# EAGLE board working (EAGLE 9.6.2), part 17 of 28 (continued)
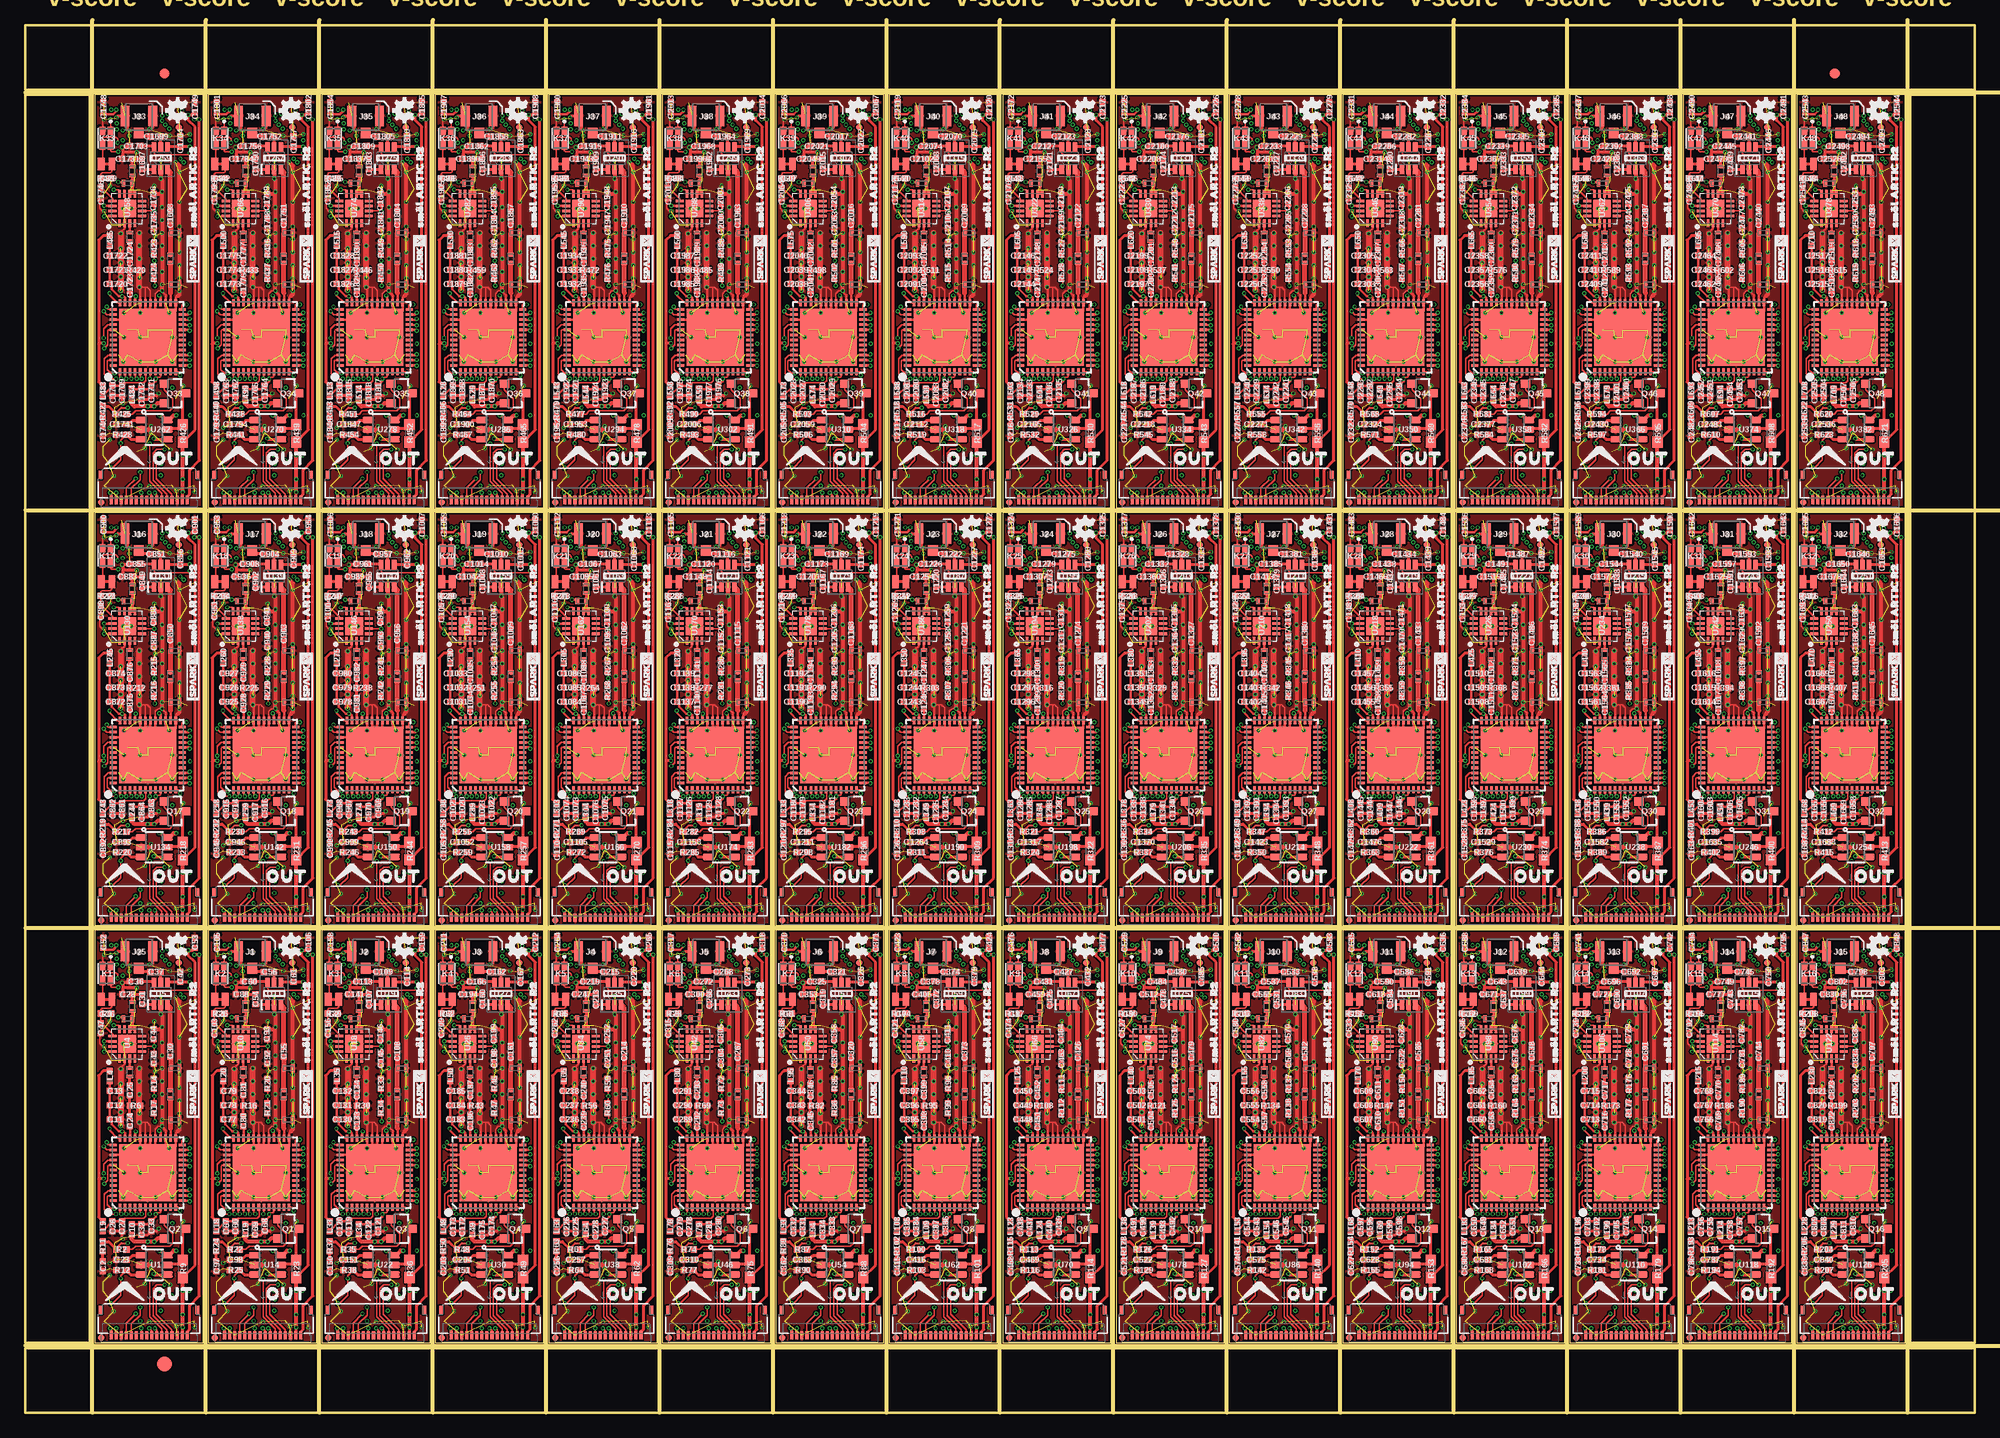
[diagram p0: board, top side]
## Tracks (layer width: path | path; a pad name or v marks a point on that pad's centre or on a via) (continued)
  other vias: 138.11,70.61 138.11,69.34 138.11,73.15 138.11,74.42 134.24,64.77 132.59,62.36 134.24,62.36 135.76,62.36 137.41,62.36 138.11,71.88 132.33,69.34 132.59,77.47 133.35,77.47 135.64,79.69 139.13,84.77 136.27,82.17 138.11,78.11 138.11,81.03 137.8,49.66 139.64,49.53 134.68,53.85 138.11,86.49 137.41,64.77 135.13,50.1 131.64,51.12 137.22,53.72 137.1,67.18 137.16,84.65 135.72,74.76 131.13,52.39
  cutout Route2 (isolate 0.305): 136.65,81.79 137.8,81.79 137.8,69.09 137.54,68.83 137.54,67.69 136.91,67.69 136.91,68.96 136.65,69.22
  pour Top (isolate 0.152, rank 3): 129.79,88.65 140.46,88.65 140.46,48.01 129.79,48.01
  pour Route2 (isolate 0.152, rank 2): 129.79,88.65 140.46,88.65 140.46,48.01 129.79,48.01
  pour Route15 (isolate 0.152, rank 2): 129.79,88.65 140.46,88.65 140.46,48.01 129.79,48.01
  pour Bottom (isolate 0.152, rank 2): 129.79,88.65 140.46,88.65 140.46,48.01 129.79,48.01
  pour Top (isolate 0.102): 132.08,76.33 134.49,76.33 134.49,67.44 132.08,67.44
  pour Top (isolate 0.102): 136.21,81.79 138.3,81.79 138.3,67.44 136.21,67.44
  pour Top (isolate 0.102): 132.72,82.74 136.21,82.74 136.21,78.3 132.72,78.3
  pour Top (isolate 0.102): 132.14,87.76 136.72,87.76 136.72,82.74 132.14,82.74
GND28  (via drill 0.2)  (89 unrouted)
  Top 0.152: U225.30 146.43,69.41 146.11,69.72 145.92,69.72 | v145.35,69.72 145.92,69.72 | U225.31 145.93,69.72 145.92,69.72 | U225.29 146.91,68.19 146.91,69.06 147.19,69.34 v147.57,69.34 | v141.86,77.22 141.67,77.22 141.41,77.47 141.41,78.37 C1534.1 | K29.2 141.71,86.09 v141.86,86.23
  Top 0.203: U226.2 143.9,75.51 143.51,75.12 v143.51,74.99
  Top 0.254: v147.57,69.34 147.57,69.28 147.93,68.93 U225.27 147.93,67.08 147.96,67.06 | 149.1,68.83 148.93,68.66 U225.25 148.93,67.39 148.59,67.06 147.96,67.06 | v145.43,67.2 U225.32 145.43,69.65 v145.35,69.72 | v145.43,67.2 v145.41,67.18 | U225.39 143.58,66.52 143.83,66.76 v143.83,67.18 | 147.96,67.06 146.94,67.06 | 146.94,67.06 146.43,67.06 | 146.43,67.06 145.92,67.06 | 145.92,67.06 145.57,67.06 v145.43,67.2 | U225.31 145.93,67.06 145.92,67.06 | U225.30 146.43,67.06 | U225.29 146.93,67.07 146.94,67.06
  Top 0.305: v143.07,86.42 143.23,86.59 J29.2 144.15,86.36 144.15,85.34 v144.34,85.15 | v146.3,85.28 146.5,85.28 146.66,85.45 J29.1 | C1500.2 146.18,58.68 C1499.2 147.01,59 v147.26,59.25 | v143.7,58.29 143.64,58.36 C1497.2 C1498.2 | C1519.1 143.65,82.49 143.76,82.61 143.76,82.99 | 143.76,82.99 143.76,83.38 v143.64,83.5 144.28,83.5 C1491.2 | v145.1,82.99 143.76,82.99
  Top 0.406: 149.1,68.83 149.28,69.01 L432.P$1 L433.P$1 149.28,75.68 v149.29,75.69 149.29,81.66 v148.91,82.04 | 145.41,71.37 R368.1 | v147.57,69.34 v147.57,69.98 v147.57,71.25 v147.57,72.52 v147.57,73.79 v147.57,75.06 v147.57,76.33 v147.57,77.6 v147.57,79.12 | C1524.2 147.38,78.92 v147.57,79.12 | v146.5,56.01 146.18,55.69 | U230.2 146.18,55.69 | v146.5,55.37 146.18,55.69 | U227.2 v147.45,80.39 147.57,80.26 v147.57,79.12
  Top 0.61: v145.35,69.72 v145.35,70.61 v145.35,72.52 v145.35,73.79 v145.35,75.06 | 143.51,69.46 v143.51,70.74 v143.51,72.14 v143.51,73.53 v143.51,74.99
  Bottom 0.152: U231.4 149.85,59.83 v149.67,60.01 | v143.64,83.5 142.88,83.5 141.87,82.49 R369.2 C1513.1 141.87,80.26 v142.43,79.69 | X29.2 142.41,65.1 141.23,65.1 | C1489.2 141.23,54.61 141.23,62.05 | 141.23,65.1 141.23,68.27 141.41,68.45 C1502.2 141.99,68.45 142.9,67.55 143.24,67.55 143.61,67.18 v143.83,67.18 | 141.23,65.1 141.23,62.05 | R367.2 141.23,62.05
  Bottom 0.254: X29.1 144.21,65.15 v143.83,64.77
  Bottom 0.305: C1533.2 147.76,58.74 v147.26,59.25
  Bottom 0.406: v142.43,55.88 142.43,55.37 U228.2 142.43,55.25 v142.43,54.67
  other vias: 149.29,70.61 149.29,69.34 149.29,73.15 149.29,74.42 145.41,64.77 143.76,62.36 145.41,62.36 146.94,62.36 148.59,62.36 149.29,71.88 143.51,69.34 143.76,77.47 144.53,77.47 146.81,79.69 150.3,84.77 147.45,82.17 149.29,78.11 149.29,81.03 148.97,49.66 150.81,49.53 145.86,53.85 149.29,86.49 148.59,64.77 146.3,50.1 142.81,51.12 148.4,53.72 148.27,67.18 148.34,84.65 146.9,74.76 142.3,52.39
  cutout Route2 (isolate 0.305): 147.83,81.79 148.97,81.79 148.97,69.09 148.72,68.83 148.72,67.69 148.08,67.69 148.08,68.96 147.83,69.22
  pour Top (isolate 0.152, rank 3): 140.97,88.65 151.64,88.65 151.64,48.01 140.97,48.01
  pour Route2 (isolate 0.152, rank 2): 140.97,88.65 151.64,88.65 151.64,48.01 140.97,48.01
  pour Route15 (isolate 0.152, rank 2): 140.97,88.65 151.64,88.65 151.64,48.01 140.97,48.01
  pour Bottom (isolate 0.152, rank 2): 140.97,88.65 151.64,88.65 151.64,48.01 140.97,48.01
  pour Top (isolate 0.102): 143.26,76.33 145.67,76.33 145.67,67.44 143.26,67.44
  pour Top (isolate 0.102): 147.38,81.79 149.48,81.79 149.48,67.44 147.38,67.44
  pour Top (isolate 0.102): 143.89,82.74 147.38,82.74 147.38,78.3 143.89,78.3
  pour Top (isolate 0.102): 143.32,87.76 147.89,87.76 147.89,82.74 143.32,82.74
GND29  (via drill 0.2)  (89 unrouted)
  Top 0.152: U233.30 157.6,69.41 157.29,69.72 157.1,69.72 | v156.53,69.72 157.1,69.72 | U233.31 157.1,69.72 | U233.29 158.09,68.19 158.09,69.06 158.37,69.34 v158.75,69.34 | v153.03,77.22 152.84,77.22 152.59,77.47 152.59,78.37 C1587.1 | K30.2 152.89,86.09 v153.03,86.23
  Top 0.203: U234.2 155.07,75.51 154.69,75.12 v154.69,74.99
  Top 0.254: v158.75,69.34 158.75,69.28 159.1,68.93 U233.27 159.1,67.08 159.13,67.06 | 160.27,68.83 160.1,68.66 U233.25 160.1,67.39 159.77,67.06 159.13,67.06 | 156.6,67.2 U233.32 156.6,69.65 v156.53,69.72 | 156.6,67.2 v156.59,67.18 | U233.39 154.76,66.52 155,66.76 v155,67.18 | 159.13,67.06 158.12,67.06 | 158.12,67.06 157.61,67.06 | 157.61,67.06 157.1,67.06 | 157.1,67.06 156.74,67.06 156.6,67.2 | U233.31 157.1,67.06 | U233.30 157.6,67.06 157.61,67.06 | U233.29 158.1,67.07 158.12,67.06
  Top 0.305: v154.24,86.42 154.41,86.59 J30.2 155.32,86.36 155.32,85.34 v155.51,85.15 | v157.48,85.28 157.67,85.28 157.84,85.45 J30.1 | C1553.2 157.35,58.68 C1552.2 158.19,59 v158.43,59.25 | v154.88,58.29 154.81,58.36 C1550.2 C1551.2 | C1572.1 154.82,82.49 154.94,82.61 154.94,82.99 | 154.94,82.99 154.94,83.38 v154.81,83.5 155.46,83.5 C1544.2 | v156.27,82.99 154.94,82.99
  Top 0.406: 160.27,68.83 160.45,69.01 L447.P$1 L448.P$1 160.45,75.68 v160.47,75.69 160.47,81.66 v160.08,82.04 | 156.59,71.37 R381.1 | v158.75,69.34 v158.75,69.98 v158.75,71.25 v158.75,72.52 v158.75,73.79 v158.75,75.06 v158.75,76.33 v158.75,77.6 v158.75,79.12 | C1577.2 158.55,78.92 v158.75,79.12 | v157.67,56.01 157.35,55.69 | U238.2 157.35,55.69 | v157.67,55.37 157.35,55.69 | U235.2 v158.62,80.39 158.75,80.26 v158.75,79.12
  Top 0.61: v156.53,69.72 v156.53,70.61 v156.53,72.52 v156.53,73.79 v156.53,75.06 | 154.69,69.46 v154.69,70.74 v154.69,72.14 v154.69,73.53 v154.69,74.99
  Bottom 0.152: U239.4 161.02,59.83 v160.85,60.01 | v154.81,83.5 154.05,83.5 153.04,82.49 R382.2 C1566.1 153.04,80.26 v153.61,79.69 | X30.2 153.58,65.1 152.41,65.1 | C1542.2 152.41,54.61 152.41,62.05 | 152.41,65.1 152.41,68.27 152.59,68.45 C1555.2 153.17,68.45 154.08,67.55 154.42,67.55 154.78,67.18 v155,67.18 | 152.41,65.1 152.41,62.05 | R380.2 152.41,62.05
  Bottom 0.254: X30.1 155.39,65.15 v155,64.77
  Bottom 0.305: C1586.2 158.94,58.74 v158.43,59.25
  Bottom 0.406: v153.61,55.88 153.61,55.37 U236.2 153.61,55.25 v153.61,54.67
  other vias: 160.46,70.61 160.46,69.34 160.46,73.15 160.46,74.42 156.59,64.77 154.94,62.36 156.59,62.36 158.12,62.36 159.77,62.36 160.46,71.88 154.69,69.34 154.94,77.47 155.7,77.47 157.99,79.69 161.48,84.77 158.62,82.17 160.46,78.11 160.46,81.03 160.15,49.66 161.99,49.53 157.04,53.85 160.46,86.49 159.77,64.77 157.48,50.1 153.99,51.12 159.58,53.72 159.45,67.18 159.51,84.65 158.08,74.76 153.48,52.39
  cutout Route2 (isolate 0.305): 159,81.79 160.15,81.79 160.15,69.09 159.89,68.83 159.89,67.69 159.26,67.69 159.26,68.96 159,69.22
  pour Top (isolate 0.152, rank 3): 152.15,88.65 162.81,88.65 162.81,48.01 152.15,48.01
  pour Route2 (isolate 0.152, rank 2): 152.15,88.65 162.81,88.65 162.81,48.01 152.15,48.01
  pour Route15 (isolate 0.152, rank 2): 152.15,88.65 162.81,88.65 162.81,48.01 152.15,48.01
  pour Bottom (isolate 0.152, rank 2): 152.15,88.65 162.81,88.65 162.81,48.01 152.15,48.01
  pour Top (isolate 0.102): 154.43,76.33 156.84,76.33 156.84,67.44 154.43,67.44
  pour Top (isolate 0.102): 158.56,81.79 160.66,81.79 160.66,67.44 158.56,67.44
  pour Top (isolate 0.102): 155.07,82.74 158.56,82.74 158.56,78.3 155.07,78.3
  pour Top (isolate 0.102): 154.5,87.76 159.07,87.76 159.07,82.74 154.5,82.74
GND30  (via drill 0.2)  (89 unrouted)
  Top 0.152: U241.30 168.78,69.41 168.47,69.72 168.28,69.72 | v167.7,69.72 168.28,69.72 | U241.31 168.28,69.72 | U241.29 169.26,68.19 169.26,69.06 169.54,69.34 v169.93,69.34 | v164.21,77.22 164.02,77.22 163.77,77.47 163.77,78.37 C1640.1 | K31.2 164.06,86.09 v164.21,86.23
  Top 0.203: U242.2 166.25,75.51 165.86,75.12 v165.86,74.99
  Top 0.254: v169.93,69.34 169.93,69.28 170.28,68.93 U241.27 170.28,67.08 170.31,67.06 | 171.45,68.83 171.28,68.66 U241.25 171.28,67.39 170.94,67.06 170.31,67.06 | v167.78,67.2 U241.32 167.78,69.65 v167.7,69.72 | v167.78,67.2 v167.77,67.18 | U241.39 165.94,66.52 166.18,66.76 v166.18,67.18 | 170.31,67.06 169.29,67.06 | 169.29,67.06 168.78,67.06 | 168.78,67.06 168.28,67.06 | 168.28,67.06 167.92,67.06 v167.78,67.2 | U241.31 168.28,67.06 | U241.30 168.78,67.06 | U241.29 169.28,67.07 169.29,67.06
  Top 0.305: v165.42,86.42 165.58,86.59 J31.2 166.5,86.36 166.5,85.34 v166.69,85.15 | v168.66,85.28 168.85,85.28 169.02,85.45 J31.1 | C1606.2 168.53,58.68 C1605.2 169.36,59 v169.61,59.25 | v166.05,58.29 165.99,58.36 C1603.2 C1604.2 | C1625.1 166,82.49 166.12,82.61 166.12,82.99 | 166.12,82.99 166.12,83.38 v165.99,83.5 166.63,83.5 C1597.2 | v167.45,82.99 166.12,82.99
  Top 0.406: 171.45,68.83 171.63,69.01 L462.P$1 L463.P$1 v171.63,75.68 v171.64,75.69 171.64,81.66 v171.26,82.04 | 167.77,71.37 R394.1 | v169.93,69.34 v169.93,69.98 v169.93,71.25 v169.93,72.52 v169.93,73.79 v169.93,75.06 v169.93,76.33 v169.93,77.6 v169.93,79.12 | C1630.2 169.73,78.92 v169.93,79.12 | v168.85,56.01 168.53,55.69 | U246.2 168.53,55.69 | v168.85,55.37 168.53,55.69 | U243.2 v169.8,80.39 169.93,80.26 v169.93,79.12
  Top 0.61: v167.7,69.72 v167.7,70.61 v167.7,72.52 v167.7,73.79 v167.7,75.06 | 165.86,69.46 v165.86,70.74 v165.86,72.14 v165.86,73.53 v165.86,74.99
  Bottom 0.152: U247.4 172.2,59.83 v172.02,60.01 | v165.99,83.5 165.23,83.5 164.22,82.49 R395.2 C1619.1 164.22,80.26 v164.78,79.69 | X31.2 164.76,65.1 163.58,65.1 | C1595.2 163.58,54.61 163.58,62.05 | 163.58,65.1 163.58,68.27 163.76,68.45 C1608.2 164.35,68.45 165.25,67.55 165.59,67.55 165.96,67.18 v166.18,67.18 | 163.58,65.1 163.58,62.05 | R393.2 163.59,62.05 163.58,62.05
  Bottom 0.254: X31.1 166.56,65.15 v166.18,64.77
  Bottom 0.305: C1639.2 170.12,58.74 v169.61,59.25
  Bottom 0.406: v164.78,55.88 164.78,55.37 U244.2 164.78,55.25 v164.78,54.67
  other vias: 171.64,70.61 171.64,69.34 171.64,73.15 171.64,74.42 167.77,64.77 166.12,62.36 167.77,62.36 169.29,62.36 170.94,62.36 171.64,71.88 165.86,69.34 166.12,77.47 166.88,77.47 169.16,79.69 172.66,84.77 169.8,82.17 171.64,78.11 171.64,81.03 171.32,49.66 173.16,49.53 168.21,53.85 171.64,86.49 170.94,64.77 168.66,50.1 165.16,51.12 170.75,53.72 170.62,67.18 170.69,84.65 169.25,74.76 164.66,52.39
  cutout Route2 (isolate 0.305): 170.18,81.79 171.32,81.79 171.32,69.09 171.07,68.83 171.07,67.69 170.43,67.69 170.43,68.96 170.18,69.22
  pour Top (isolate 0.152, rank 3): 163.32,88.65 173.99,88.65 173.99,48.01 163.32,48.01
  pour Route2 (isolate 0.152, rank 2): 163.32,88.65 173.99,88.65 173.99,48.01 163.32,48.01
  pour Route15 (isolate 0.152, rank 2): 163.32,88.65 173.99,88.65 173.99,48.01 163.32,48.01
  pour Bottom (isolate 0.152, rank 2): 163.32,88.65 173.99,88.65 173.99,48.01 163.32,48.01
  pour Top (isolate 0.102): 165.61,76.33 168.02,76.33 168.02,67.44 165.61,67.44
  pour Top (isolate 0.102): 169.74,81.79 171.83,81.79 171.83,67.44 169.74,67.44
  pour Top (isolate 0.102): 166.24,82.74 169.74,82.74 169.74,78.3 166.24,78.3
  pour Top (isolate 0.102): 165.67,87.76 170.24,87.76 170.24,82.74 165.67,82.74
GND31  (via drill 0.2)  (89 unrouted)
  Top 0.152: U249.30 179.96,69.41 179.64,69.72 179.45,69.72 | v178.88,69.72 179.45,69.72 | U249.31 179.46,69.72 179.45,69.72 | U249.29 180.44,68.19 180.44,69.06 180.72,69.34 v181.1,69.34 | v175.39,77.22 175.2,77.22 174.94,77.47 174.94,78.37 C1693.1 | K32.2 175.24,86.09 v175.39,86.23
  Top 0.203: U250.2 177.42,75.51 177.04,75.12 v177.04,74.99
  Top 0.254: v181.1,69.34 181.1,69.28 181.46,68.93 U249.27 181.46,67.08 181.48,67.06 | 182.63,68.83 182.46,68.66 U249.25 182.46,67.39 182.12,67.06 181.48,67.06 | v178.96,67.2 U249.32 178.96,69.65 v178.88,69.72 | v178.96,67.2 v178.94,67.18 | U249.39 177.11,66.52 177.36,66.76 v177.36,67.18 | 181.48,67.06 180.47,67.06 | 180.47,67.06 179.96,67.06 | 179.96,67.06 179.45,67.06 | 179.45,67.06 179.09,67.06 v178.96,67.2 | U249.31 179.46,67.06 179.45,67.06 | U249.30 179.96,67.06 | U249.29 180.46,67.07 180.47,67.06
  Top 0.305: v176.59,86.42 176.76,86.59 J32.2 177.67,86.36 177.67,85.34 v177.86,85.15 | v179.83,85.28 180.02,85.28 180.19,85.45 J32.1 | C1659.2 179.71,58.68 C1658.2 180.54,59 v180.78,59.25 | v177.23,58.29 177.16,58.36 C1656.2 C1657.2 | C1678.1 177.17,82.49 177.29,82.61 177.29,82.99 | 177.29,82.99 177.29,83.38 v177.16,83.5 177.81,83.5 C1650.2 | v178.63,82.99 177.29,82.99
  Top 0.406: 182.63,68.83 182.8,69.01 L477.P$1 L478.P$1 182.8,75.68 v182.82,75.69 182.82,81.66 v182.44,82.04 | 178.94,71.37 R407.1 | v181.1,69.34 v181.1,69.98 v181.1,71.25 v181.1,72.52 v181.1,73.79 v181.1,75.06 v181.1,76.33 v181.1,77.6 v181.1,79.12 | C1683.2 180.9,78.92 v181.1,79.12 | v180.02,56.01 179.71,55.69 | U254.2 179.71,55.69 | v180.02,55.37 179.71,55.69 | U251.2 v180.97,80.39 181.1,80.26 v181.1,79.12
  Top 0.61: v178.88,69.72 v178.88,70.61 v178.88,72.52 v178.88,73.79 v178.88,75.06 | 177.04,69.46 v177.04,70.74 v177.04,72.14 v177.04,73.53 v177.04,74.99
  Bottom 0.152: U255.4 183.38,59.83 v183.2,60.01 | v177.16,83.5 176.4,83.5 175.4,82.49 R408.2 C1672.1 175.4,80.26 v175.96,79.69 | X32.2 175.94,65.1 174.76,65.1 | C1648.2 174.76,54.61 174.76,62.05 | 174.76,65.1 174.76,68.27 174.94,68.45 C1661.2 175.52,68.45 176.43,67.55 176.77,67.55 177.13,67.18 v177.36,67.18 | 174.76,65.1 174.76,62.05 | R406.2 174.76,62.05
  Bottom 0.254: X32.1 177.74,65.15 v177.36,64.77
  Bottom 0.305: C1692.2 181.29,58.74 v180.78,59.25
  Bottom 0.406: v175.96,55.88 175.96,55.37 U252.2 175.96,55.25 v175.96,54.67
  other vias: 182.82,70.61 182.82,69.34 182.82,73.15 182.82,74.42 178.94,64.77 177.29,62.36 178.94,62.36 180.47,62.36 182.12,62.36 182.82,71.88 177.04,69.34 177.29,77.47 178.05,77.47 180.34,79.69 183.83,84.77 180.97,82.17 182.82,78.11 182.82,81.03 182.5,49.66 184.34,49.53 179.39,53.85 182.82,86.49 182.12,64.77 179.83,50.1 176.34,51.12 181.93,53.72 181.8,67.18 181.86,84.65 180.43,74.76 175.83,52.39
  cutout Route2 (isolate 0.305): 181.36,81.79 182.5,81.79 182.5,69.09 182.25,68.83 182.25,67.69 181.61,67.69 181.61,68.96 181.36,69.22
  pour Top (isolate 0.152, rank 3): 174.5,88.65 185.17,88.65 185.17,48.01 174.5,48.01
  pour Route2 (isolate 0.152, rank 2): 174.5,88.65 185.17,88.65 185.17,48.01 174.5,48.01
  pour Route15 (isolate 0.152, rank 2): 174.5,88.65 185.17,88.65 185.17,48.01 174.5,48.01
  pour Bottom (isolate 0.152, rank 2): 174.5,88.65 185.17,88.65 185.17,48.01 174.5,48.01
  pour Top (isolate 0.102): 176.78,76.33 179.2,76.33 179.2,67.44 176.78,67.44
  pour Top (isolate 0.102): 180.91,81.79 183.01,81.79 183.01,67.44 180.91,67.44
  pour Top (isolate 0.102): 177.42,82.74 180.91,82.74 180.91,78.3 177.42,78.3
  pour Top (isolate 0.102): 176.85,87.76 181.42,87.76 181.42,82.74 176.85,82.74
GND32  (via drill 0.2)  (89 unrouted)
  Top 0.152: U257.30 12.31,110.56 12,110.87 11.81,110.87 | v11.24,110.87 11.81,110.87 | U257.31 11.81,110.87 | U257.29 12.8,109.34 12.8,110.21 13.08,110.49 v13.46,110.49 | v7.75,118.36 7.56,118.36 7.3,118.62 7.3,119.52 C1746.1 | K33.2 7.6,127.23 v7.75,127.38
  Top 0.203: U258.2 9.78,116.65 9.4,116.27 v9.4,116.14
  Top 0.254: v13.46,110.49 13.46,110.43 13.81,110.07 U257.27 13.81,108.23 13.84,108.2 | 14.99,109.98 14.81,109.81 U257.25 14.81,108.54 14.48,108.2 13.84,108.2 | 11.31,108.34 U257.32 11.31,110.8 v11.24,110.87 | 11.31,108.34 v11.3,108.33 | U257.39 9.47,107.67 9.71,107.91 v9.71,108.33 | 13.84,108.2 12.83,108.2 | 12.83,108.2 12.32,108.2 | 12.32,108.2 11.81,108.2 | 11.81,108.2 11.45,108.2 11.31,108.34 | U257.31 11.81,108.21 11.81,108.2 | U257.30 12.31,108.21 12.32,108.2 | U257.29 12.81,108.22 12.83,108.2
  Top 0.305: v8.95,127.57 9.12,127.73 J33.2 10.03,127.5 10.03,126.49 v10.22,126.3 | v12.19,126.43 12.38,126.43 12.55,126.6 J33.1 | C1712.2 12.06,99.83 C1711.2 12.9,100.15 v13.14,100.39 | v9.59,99.44 9.52,99.51 C1709.2 C1710.2 | C1731.1 9.53,123.64 9.65,123.76 9.65,124.14 | 9.65,124.14 9.65,124.52 v9.52,124.65 10.17,124.65 C1703.2 | v10.99,124.14 9.65,124.14
  Top 0.406: 14.99,109.98 15.16,110.16 L492.P$1 L493.P$1 15.16,116.83 v15.18,116.84 15.18,122.81 v14.8,123.19 | R420.1 | v13.46,110.49 v13.46,111.12 v13.46,112.4 v13.46,113.67 v13.46,114.94 v13.46,116.2 v13.46,117.48 v13.46,118.75 v13.46,120.27 | C1736.2 13.26,120.07 v13.46,120.27 | v12.38,97.16 12.06,96.84 | U262.2 12.06,96.84 | v12.38,96.52 12.06,96.84 | U259.2 v13.34,121.54 13.46,121.41 v13.46,120.27
  Top 0.61: v11.24,110.87 v11.24,111.76 v11.24,113.67 v11.24,114.94 v11.24,116.2 | 9.4,110.6 v9.4,111.89 v9.4,113.28 v9.4,114.68 v9.4,116.14
  Bottom 0.152: U263.4 15.74,100.98 v15.56,101.16 | v9.52,124.65 8.76,124.65 7.75,123.64 R421.2 C1725.1 7.75,121.4 v8.32,120.84 | X33.2 8.29,106.25 7.12,106.25 | C1701.2 7.12,95.76 7.12,103.2 | 7.12,106.25 7.12,109.42 7.3,109.6 C1714.2 7.88,109.6 8.79,108.69 9.13,108.69 9.49,108.33 v9.71,108.33 | 7.12,106.25 7.12,103.2 | R419.2 7.12,103.2
  Bottom 0.254: X33.1 10.1,106.3 v9.71,105.92
  Bottom 0.305: C1745.2 13.65,99.89 v13.14,100.39
  Bottom 0.406: v8.32,97.03 8.32,96.52 U260.2 8.32,96.39 v8.32,95.82
  other vias: 15.18,111.76 15.18,110.49 15.18,114.3 15.18,115.57 11.3,105.92 9.65,103.51 11.3,103.51 12.83,103.51 14.48,103.51 15.18,113.03 9.4,110.49 9.65,118.62 10.41,118.62 12.7,120.84 16.19,125.92 13.34,123.32 15.18,119.25 15.18,122.17 14.86,90.81 16.7,90.68 11.75,95 15.18,127.64 14.48,105.92 12.19,91.25 8.7,92.27 14.29,94.87 14.16,108.33 14.22,125.79 12.79,115.91 8.19,93.54
  cutout Route2 (isolate 0.305): 13.72,122.94 14.86,122.94 14.86,110.24 14.61,109.98 14.61,108.84 13.97,108.84 13.97,110.11 13.72,110.36
  pour Top (isolate 0.152, rank 3): 6.86,129.79 17.53,129.79 17.53,89.15 6.86,89.15
  pour Route2 (isolate 0.152, rank 2): 6.86,129.79 17.53,129.79 17.53,89.15 6.86,89.15
  pour Route15 (isolate 0.152, rank 2): 6.86,129.79 17.53,129.79 17.53,89.15 6.86,89.15
  pour Bottom (isolate 0.152, rank 2): 6.86,129.79 17.53,129.79 17.53,89.15 6.86,89.15
  pour Top (isolate 0.102): 9.14,117.48 11.56,117.48 11.56,108.59 9.14,108.59
  pour Top (isolate 0.102): 13.27,122.94 15.37,122.94 15.37,108.59 13.27,108.59
  pour Top (isolate 0.102): 9.78,123.89 13.27,123.89 13.27,119.44 9.78,119.44
  pour Top (isolate 0.102): 9.21,128.91 13.78,128.91 13.78,123.89 9.21,123.89
GND33  (via drill 0.2)  (89 unrouted)
  Top 0.152: U265.30 23.49,110.56 23.18,110.87 22.99,110.87 | v22.41,110.87 22.99,110.87 | U265.31 22.99,110.87 | U265.29 23.97,109.34 23.97,110.21 24.25,110.49 v24.64,110.49 | v18.92,118.36 18.73,118.36 18.48,118.62 18.48,119.52 C1799.1 | K34.2 18.78,127.23 v18.92,127.38
  Top 0.203: U266.2 20.96,116.65 20.57,116.27 v20.57,116.14
  Top 0.254: v24.64,110.49 24.64,110.43 24.99,110.07 U265.27 24.99,108.23 25.02,108.2 | 26.16,109.98 25.99,109.81 U265.25 25.99,108.54 25.65,108.2 25.02,108.2 | 22.49,108.34 U265.32 22.49,110.8 v22.41,110.87 | 22.49,108.34 v22.48,108.33 | U265.39 20.65,107.67 20.89,107.91 v20.89,108.33 | 25.02,108.2 24,108.2 | 24,108.2 23.5,108.2 | 23.5,108.2 22.99,108.2 | 22.99,108.2 22.63,108.2 22.49,108.34 | U265.31 22.99,108.21 22.99,108.2 | U265.30 23.49,108.21 23.5,108.2 | U265.29 23.99,108.22 24,108.2
  Top 0.305: v20.13,127.57 20.29,127.73 J34.2 21.21,127.5 21.21,126.49 v21.4,126.3 | v23.37,126.43 23.56,126.43 23.73,126.6 J34.1 | C1765.2 23.24,99.83 C1764.2 24.07,100.15 v24.32,100.39 | v20.76,99.44 20.7,99.51 C1762.2 C1763.2 | C1784.1 20.71,123.64 20.83,123.76 20.83,124.14 | 20.83,124.14 20.83,124.52 v20.7,124.65 21.34,124.65 C1756.2 | v22.16,124.14 20.83,124.14
  Top 0.406: 26.16,109.98 26.34,110.16 L507.P$1 L508.P$1 26.34,116.83 v26.35,116.84 26.35,122.81 v25.97,123.19 | 22.48,112.51 R433.1 | v24.64,110.49 v24.64,111.12 v24.64,112.4 v24.64,113.67 v24.64,114.94 v24.64,116.2 v24.64,117.48 v24.64,118.75 v24.64,120.27 | C1789.2 24.44,120.07 v24.64,120.27 | v23.56,97.16 23.24,96.84 | U270.2 23.24,96.84 | v23.56,96.52 23.24,96.84 | U267.2 v24.51,121.54 24.64,121.41 v24.64,120.27
  Top 0.61: v22.41,110.87 v22.41,111.76 v22.41,113.67 v22.41,114.94 v22.41,116.2 | 20.57,110.6 v20.57,111.89 v20.57,113.28 v20.57,114.68 v20.57,116.14
  Bottom 0.152: U271.4 26.91,100.98 v26.73,101.16 | v20.7,124.65 19.94,124.65 18.93,123.64 R434.2 C1778.1 18.93,121.4 v19.49,120.84 | X34.2 19.47,106.25 18.29,106.25 | C1754.2 18.29,95.76 18.29,103.2 | 18.29,106.25 18.29,109.42 18.48,109.6 C1767.2 19.06,109.6 19.97,108.69 20.31,108.69 20.67,108.33 v20.89,108.33 | 18.29,106.25 18.29,103.2 | R432.2 18.3,103.2 18.29,103.2
  Bottom 0.254: X34.1 21.27,106.3 v20.89,105.92
  Bottom 0.305: C1798.2 24.83,99.89 v24.32,100.39
  Bottom 0.406: v19.49,97.03 19.49,96.52 U268.2 19.49,96.39 v19.49,95.82
  other vias: 26.35,111.76 26.35,110.49 26.35,114.3 26.35,115.57 22.48,105.92 20.83,103.51 22.48,103.51 24,103.51 25.65,103.51 26.35,113.03 20.57,110.49 20.83,118.62 21.59,118.62 23.88,120.84 27.37,125.92 24.51,123.32 26.35,119.25 26.35,122.17 26.04,90.81 27.88,90.68 22.92,95 26.35,127.64 25.65,105.92 23.37,91.25 19.88,92.27 25.46,94.87 25.34,108.33 25.4,125.79 23.96,115.91 19.37,93.54
  cutout Route2 (isolate 0.305): 24.89,122.94 26.04,122.94 26.04,110.24 25.78,109.98 25.78,108.84 25.15,108.84 25.15,110.11 24.89,110.36
  pour Top (isolate 0.152, rank 3): 18.03,129.79 28.7,129.79 28.7,89.15 18.03,89.15
  pour Route2 (isolate 0.152, rank 2): 18.03,129.79 28.7,129.79 28.7,89.15 18.03,89.15
  pour Route15 (isolate 0.152, rank 2): 18.03,129.79 28.7,129.79 28.7,89.15 18.03,89.15
  pour Bottom (isolate 0.152, rank 2): 18.03,129.79 28.7,129.79 28.7,89.15 18.03,89.15
  pour Top (isolate 0.102): 20.32,117.48 22.73,117.48 22.73,108.59 20.32,108.59
  pour Top (isolate 0.102): 24.45,122.94 26.54,122.94 26.54,108.59 24.45,108.59
  pour Top (isolate 0.102): 20.95,123.89 24.45,123.89 24.45,119.44 20.95,119.44
  pour Top (isolate 0.102): 20.38,128.91 24.96,128.91 24.96,123.89 20.38,123.89
GND34  (via drill 0.2)  (89 unrouted)
  Top 0.152: U273.30 34.67,110.56 34.35,110.87 34.16,110.87 | v33.59,110.87 34.16,110.87 | U273.31 34.17,110.87 34.16,110.87 | U273.29 35.15,109.34 35.15,110.21 35.43,110.49 v35.81,110.49 | v30.1,118.36 29.91,118.36 29.66,118.62 29.66,119.52 C1852.1 | K35.2 29.95,127.23 v30.1,127.38
  Top 0.203: U274.2 32.13,116.65 31.75,116.27 v31.75,116.14
  Top 0.254: v35.81,110.49 35.81,110.43 36.17,110.07 U273.27 36.17,108.23 36.2,108.2 | 37.34,109.98 37.17,109.81 U273.25 37.17,108.54 36.83,108.2 36.2,108.2 | 33.67,108.34 U273.32 33.67,110.8 v33.59,110.87 | 33.67,108.34 v33.66,108.33 | U273.39 31.82,107.67 32.07,107.91 v32.07,108.33 | 36.2,108.2 35.18,108.2 | 35.18,108.2 34.67,108.2 | 34.67,108.2 34.16,108.2 | 34.16,108.2 33.81,108.2 33.67,108.34 | U273.31 34.17,108.21 34.16,108.2 | U273.30 34.67,108.21 34.67,108.2 | U273.29 35.17,108.22 35.18,108.2
  Top 0.305: v31.31,127.57 31.47,127.73 J35.2 32.38,127.5 32.38,126.49 v32.58,126.3 | v34.54,126.43 34.73,126.43 34.9,126.6 J35.1 | C1818.2 34.42,99.83 C1817.2 35.25,100.15 v35.5,100.39 | v31.94,99.44 31.88,99.51 C1815.2 C1816.2 | C1837.1 31.89,123.64 32,123.76 32,124.14 | 32,124.14 32,124.52 v31.88,124.65 32.52,124.65 C1809.2 | v33.34,124.14 32,124.14
  Top 0.406: 37.34,109.98 37.52,110.16 L522.P$1 L523.P$1 37.52,116.83 v37.53,116.84 37.53,122.81 v37.15,123.19 | R446.1 | v35.81,110.49 v35.81,111.12 v35.81,112.4 v35.81,113.67 v35.81,114.94 v35.81,116.2 v35.81,117.48 v35.81,118.75 v35.81,120.27 | C1842.2 35.62,120.07 v35.81,120.27 | v34.73,97.16 34.42,96.84 | U278.2 34.42,96.84 | v34.73,96.52 34.42,96.84 | U275.2 v35.69,121.54 35.81,121.41 v35.81,120.27
  Top 0.61: v33.59,110.87 v33.59,111.76 v33.59,113.67 v33.59,114.94 v33.59,116.2 | 31.75,110.6 v31.75,111.89 v31.75,113.28 v31.75,114.68 v31.75,116.14
  Bottom 0.152: U279.4 38.09,100.98 v37.91,101.16 | v31.88,124.65 31.12,124.65 30.11,123.64 R447.2 C1831.1 30.11,121.4 v30.67,120.84 | X35.2 30.65,106.25 29.47,106.25 | C1807.2 29.47,95.76 29.47,103.2 | 29.47,106.25 29.47,109.42 29.65,109.6 C1820.2 30.23,109.6 31.14,108.69 31.48,108.69 31.84,108.33 v32.07,108.33 | 29.47,106.25 29.47,103.2 | R445.2 29.47,103.2
  Bottom 0.254: X35.1 32.45,106.3 v32.07,105.92
  Bottom 0.305: C1851.2 36,99.89 v35.5,100.39
  Bottom 0.406: v30.67,97.03 30.67,96.52 U276.2 30.67,96.39 v30.67,95.82